# KiCad board 4in1-panel.kicad_pcb
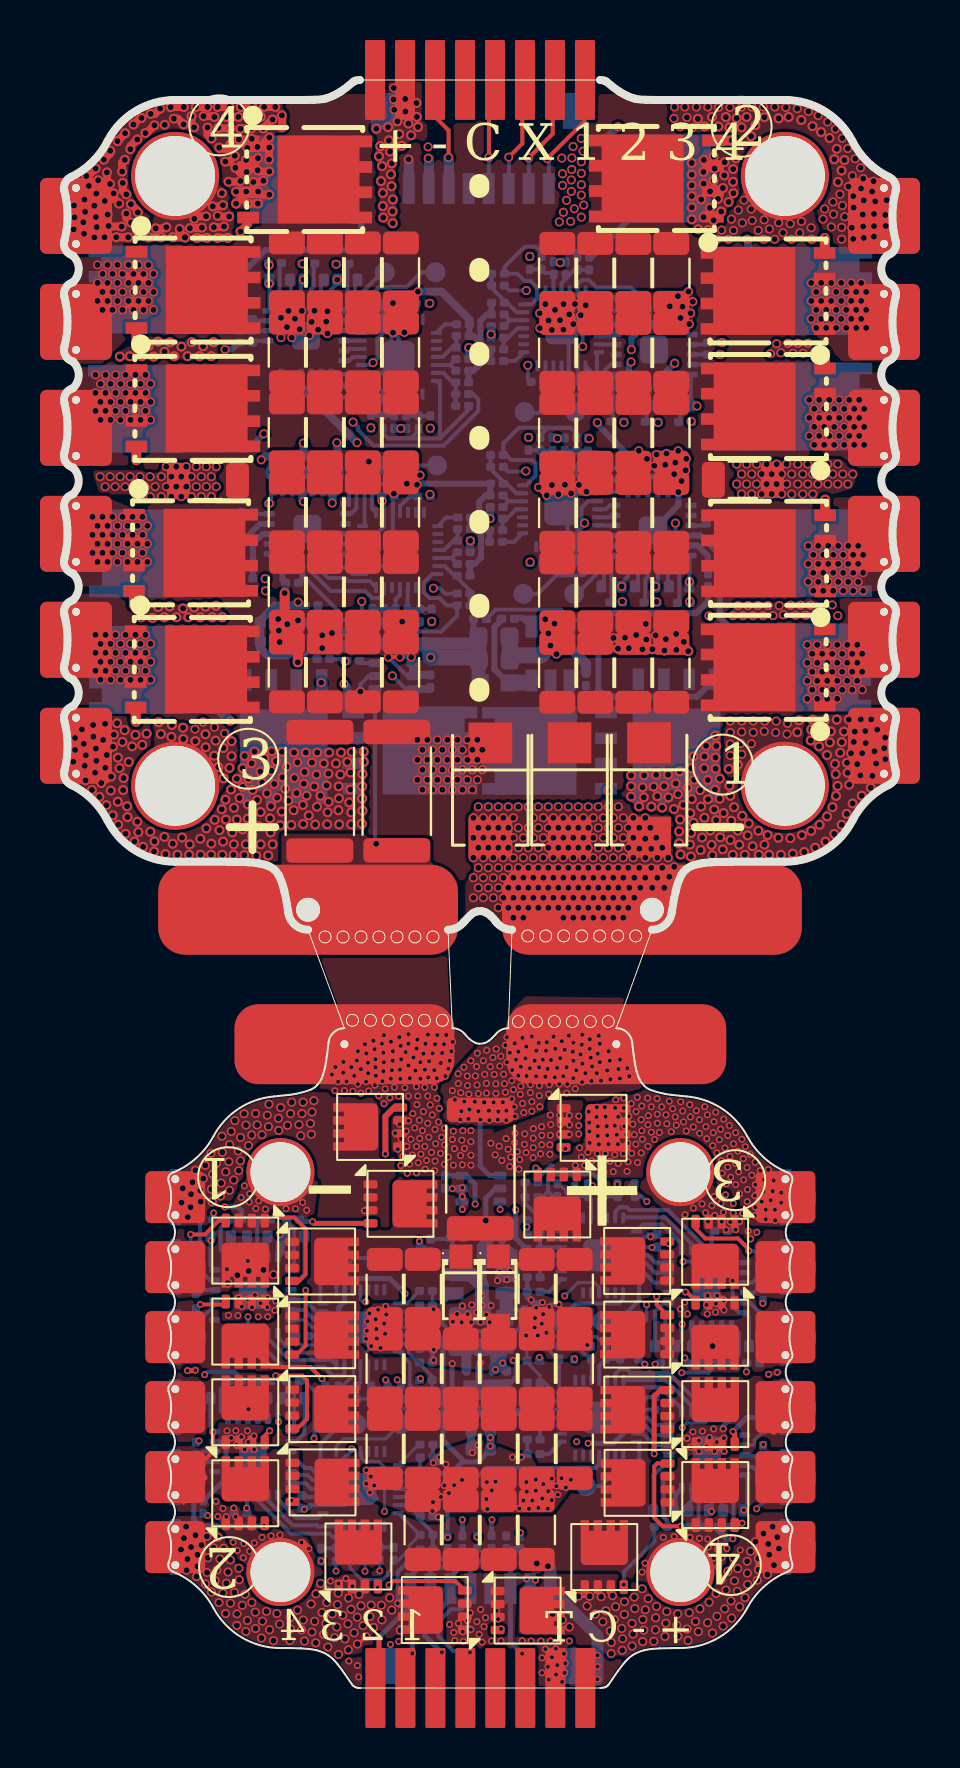
[diagram p0: board, top side]
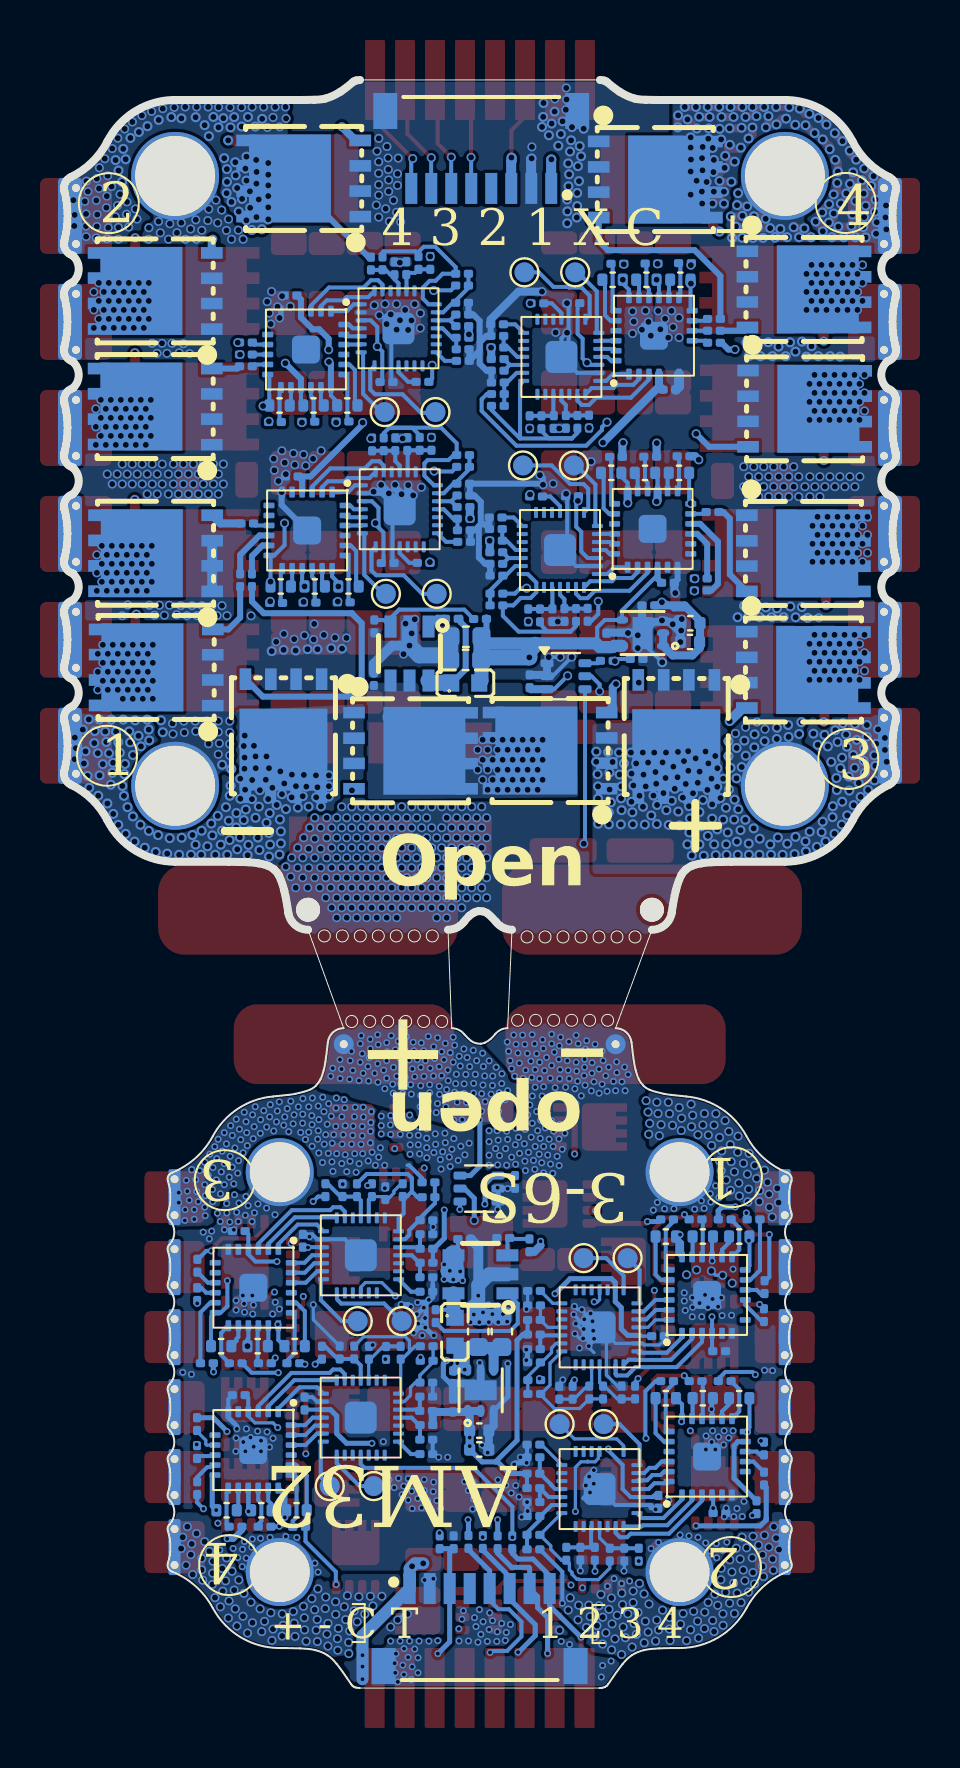
[diagram p1: board, bottom side, seen from below]

Outline 41.58 x 80.42 mm; copper layers: Top, In1.Cu, In2.Cu, In3.Cu, In4.Cu, Bottom. Coordinates in mm from the lower left corner of the outline.
Outline path: circle c13.04,37.56 r0.3 ; circle c13.94,37.56 r0.3 ; circle c14.41,33.39 r0.3 ; circle c14.84,37.56 r0.3 ; circle c15.31,33.39 r0.3 ; circle c15.74,37.56 r0.3 ; circle c16.21,33.39 r0.3 ; circle c16.64,37.56 r0.3 ; circle c17.11,33.39 r0.3 ; circle c17.54,37.56 r0.3 ; circle c18.01,33.39 r0.3 ; circle c18.44,37.56 r0.3 ; circle c18.91,33.39 r0.3 ; circle c22.71,33.33 r0.3 ; circle c23.18,37.61 r0.3 ; circle c23.61,33.33 r0.3 ; circle c24.08,37.61 r0.3 ; circle c24.51,33.33 r0.3 ; circle c24.98,37.61 r0.3 ; circle c25.41,33.33 r0.3 ; circle c25.88,37.61 r0.3 ; circle c26.31,33.33 r0.3 ; circle c26.78,37.61 r0.3 ; circle c27.21,33.33 r0.3 ; circle c27.68,37.61 r0.3 ; circle c28.58,37.61 r0.3 ; 14.01,33 12.19,37.92 ; 14.79,80.42 26.79,80.42 ; 14.81,0 26.81,0 ; 19.41,33 19.19,37.92 ; 22.39,37.92 22.21,33 ; 27.61,33 29.39,37.92
Stack: Top 0.07mm / dielectric 0.1mm FR4 er 4.5 / In1.Cu 0.035mm / dielectric 0.545mm FR4 er 4.5 / In2.Cu 0.035mm / dielectric 0.1mm FR4 er 4.5 / In3.Cu 0.035mm / dielectric 0.545mm FR4 er 4.5 / In4.Cu 0.035mm / dielectric 0.1mm FR4 er 4.5 / Bottom 0.07mm

## Placement (name value [footprint] x y rotation side)
C1  22uF  [C_0402_1005Metric]  20.83 11.93 0 bottom
C2  4.7uF  [C_1206_3216Metric]  7.18 60.37 180 top
C3  4.7uF  [C_1206_3216Metric]  33.94 60.43 0 top
C4  22uF  [C_0402_1005Metric]  10.27 53.25 180 bottom
C6  4.7uF  [C_1206_3216Metric]  24.66 62.77 270 top
C6#2  4.7uF  [C_1206_3216Metric]  16.83 70.8 270 top
C6#3  4.7uF  [C_1206_3216Metric]  16.83 54.82 270 top
C7  4.7uF  [C_1206_3216Metric]  14.93 70.8 270 top
C8  4.7uF  [C_1206_3216Metric]  13.03 70.8 270 top
C9  4.7uF  [C_1206_3216Metric]  11.13 70.8 270 top
C13  4.7uF  [C_1206_3216Metric]  30.36 70.77 270 top
C14  4.7uF  [C_1206_3216Metric]  28.46 70.77 270 top
C15  4.7uF  [C_1206_3216Metric]  26.56 70.77 270 top
C16  4.7uF  [C_1206_3216Metric]  24.66 70.77 270 top
C17  4.7uF  [C_1206_3216Metric]  11.13 66.8 90 top
C18  4.7uF  [C_1206_3216Metric]  13.03 66.8 90 top
C19  4.7uF  [C_1206_3216Metric]  14.93 66.8 90 top
C20  4.7uF  [C_1206_3216Metric]  16.83 66.8 90 top
C24  4.7uF  [C_1206_3216Metric]  24.66 66.77 90 top
C25  4.7uF  [C_1206_3216Metric]  26.56 66.77 90 top
C26  4.7uF  [C_1206_3216Metric]  28.46 66.77 90 top
C27  4.7uF  [C_1206_3216Metric]  30.36 66.77 90 top
C28  4.7uF  [C_1206_3216Metric]  16.83 62.8 270 top
C29  4.7uF  [C_1206_3216Metric]  14.93 62.8 270 top
C30  4.7uF  [C_1206_3216Metric]  13.03 62.8 270 top
C31  4.7uF  [C_1206_3216Metric]  11.13 62.8 270 top
C32  100nF  [C_0402_WIDE]  29.06 55.09 180 bottom
C32#2  100nF  [C_0402_WIDE]  9.65 22.58 0 bottom
C33  100nF  [C_0402_WIDE]  9.65 14.49 0 bottom
C33#2  100nF  [C_0402_WIDE]  29.12 64.14 180 bottom
C34  100nF  [C_0402_WIDE]  12.54 60.78 0 bottom
C34#2  100nF  [C_0402_WIDE]  31.91 17.1 180 bottom
C35  100nF  [C_0402_WIDE]  12.47 70.44 0 bottom
C35#2  100nF  [C_0402_WIDE]  31.73 8.89 180 bottom
C36  100nF  [C_0402_WIDE]  7.82 22.58 0 bottom
C36#2  100nF  [C_0402_WIDE]  30.76 55.09 180 bottom
C37  100nF  [C_0402_WIDE]  30.82 64.14 180 bottom
C37#2  100nF  [C_0402_WIDE]  7.82 14.49 0 bottom
C38  100nF  [C_0402_WIDE]  10.84 60.78 0 bottom
C38#2  100nF  [C_0402_WIDE]  33.74 17.1 180 bottom
C39  100nF  [C_0402_WIDE]  33.47 8.89 180 bottom
C39#2  100nF  [C_0402_WIDE]  10.77 70.44 0 bottom
C42  22uF  [C_0402_1005Metric]  20.83 12.88 0 bottom
C43  4.7uF  [C_1206_3216Metric]  30.36 62.77 270 top
C43#2  22uF  [C_0603_1608Metric]  19.7 17.83 90 bottom
C44  4.7uF  [C_1206_3216Metric]  28.46 62.77 270 top
C44#2  100nF  [C_0201_0603Metric]  18.12 9.3 0 bottom
C45  4.7uF  [C_1206_3216Metric]  26.56 62.77 270 top
C45#2  100nF  [C_0201_0603Metric]  11.87 9.31 270 bottom
C46  100nF  [C_0201_0603Metric]  18.12 11.54 0 bottom
C47  22uF  [C_0603_1608Metric]  21.49 52.58 0 bottom
C48  100nF  [C_0201_0603Metric]  18.1 16.95 0 bottom
C48#2  100nF  [C_0201_0603Metric]  21.62 59.65 180 bottom
C49  100nF  [C_0201_0603Metric]  11.89 17.6 180 bottom
C49#2  100nF  [C_0201_0603Metric]  25.41 56.27 180 bottom
C50  100nF  [C_0201_0603Metric]  18.09 19.14 0 bottom
C50#2  100nF  [C_0201_0603Metric]  21.6 57.91 180 bottom
C51  22uF  [C_0402_1005Metric]  10.29 52.31 180 bottom
C52  100nF  [C_0201_0603Metric]  21.66 66.95 180 bottom
C53  100nF  [C_0402_WIDE]  11.5 22.58 0 bottom
C53#2  100nF  [C_0402_WIDE]  27.37 55.09 180 bottom
C54  100nF  [C_0201_0603Metric]  21.68 68.69 180 bottom
C55  100nF  [C_0201_0603Metric]  25.47 65.31 180 bottom
C56  100nF  [C_0402_WIDE]  27.43 64.14 180 bottom
C57  100nF  [C_0201_0603Metric]  8.81 8.75 180 bottom
C57#2  100nF  [C_0201_0603Metric]  30.21 60.59 0 bottom
C58  100nF  [C_0201_0603Metric]  30.27 69.64 0 bottom
C59  100nF  [C_0402_WIDE]  11.5 14.49 0 bottom
C59#2  100nF  [C_0201_0603Metric]  20 57.97 0 bottom
C60  100nF  [C_0201_0603Metric]  19.98 56.23 0 bottom
C61  100nF  [C_0201_0603Metric]  16.19 59.61 0 bottom
C62  100nF  [C_0402_WIDE]  14.23 60.78 0 bottom
C63  100nF  [C_0201_0603Metric]  32.86 22.85 0 bottom
C63#2  100nF  [C_0201_0603Metric]  11.39 55.28 180 bottom
C64  100nF  [C_0201_0603Metric]  23.47 22.69 180 bottom
C64#2  100nF  [C_0201_0603Metric]  19.93 67.62 0 bottom
C65  100nF  [C_0201_0603Metric]  29.65 22.37 90 bottom
C65#2  100nF  [C_0201_0603Metric]  19.91 65.88 0 bottom
C66  100nF  [C_0201_0603Metric]  23.47 20.54 180 bottom
C66#2  100nF  [C_0201_0603Metric]  16.12 69.26 0 bottom
C67  100nF  [C_0402_WIDE]  14.16 70.44 0 bottom
C68  100nF  [C_0201_0603Metric]  11.32 64.94 180 bottom
C69  4.7uF  [C_1206_3216Metric]  11.13 58.8 90 top
C69#2  100nF  [C_0201_0603Metric]  21.58 22.45 180 bottom
C70  4.7uF  [C_1206_3216Metric]  13.03 58.8 90 top
C70#2  100nF  [C_0201_0603Metric]  22.14 15.55 270 bottom
C71  4.7uF  [C_1206_3216Metric]  14.93 58.8 90 top
C71#2  100nF  [C_0201_0603Metric]  22.15 14.13 90 bottom
C72  4.7uF  [C_1206_3216Metric]  16.83 58.8 90 top
C72#2  100nF  [C_0201_0603Metric]  23.01 18.6 270 bottom
C73  100nF  [C_0402_WIDE]  30.06 17.1 180 bottom
C74  100nF  [C_0201_0603Metric]  26.1 50.46 90 bottom
C75  100nF  [C_0201_0603Metric]  22.2 53.48 0 bottom
C76  100nF  [C_0201_0603Metric]  14.47 52.43 90 bottom
C77  100nF  [C_0201_0603Metric]  8.83 16.85 180 bottom
C78  100nF  [C_0201_0603Metric]  23.48 14.57 180 bottom
C79  4.7uF  [C_1206_3216Metric]  24.66 58.77 90 top
C79#2  100nF  [C_0201_0603Metric]  29.57 14.23 90 bottom
C80  4.7uF  [C_1206_3216Metric]  26.56 58.77 90 top
C80#2  100nF  [C_0201_0603Metric]  23.48 12.42 180 bottom
C81  100nF  [C_0201_0603Metric]  12.37 54.14 0 bottom
C82  4.7uF  [C_1206_3216Metric]  28.46 58.77 90 top
C83  4.7uF  [C_1206_3216Metric]  30.36 58.77 90 top
C83#2  100nF  [C_0402_WIDE]  29.97 8.89 180 bottom
C84  4.7uF  [C_1206_3216Metric]  30.36 54.8 270 top
C85  4.7uF  [C_1206_3216Metric]  28.46 54.8 270 top
C86  22uF  [C_0603_1608Metric]  21.51 51.42 0 bottom
C86#2  22uF  [C_0603_1608Metric]  20.88 17.83 90 bottom
C87  4.7uF  [C_1206_3216Metric]  26.56 54.8 270 top
C88  4.7uF  [C_1206_3216Metric]  24.66 54.8 270 top
C88#2  100nF  [C_0201_0603Metric]  32.86 14.65 0 bottom
C93  100nF  [C_0201_0603Metric]  18.31 50.35 90 bottom
C93#2  100nF  [C_0201_0603Metric]  19.04 25.31 270 bottom
C94  100nF  [C_0201_0603Metric]  22.11 7.29 90 bottom
C94#2  100nF  [C_0201_0603Metric]  12.96 51.46 180 bottom
C95  4.7uF  [C_1206_3216Metric]  14.93 54.82 270 top
C96  4.7uF  [C_1206_3216Metric]  13.03 54.82 270 top
C97  4.7uF  [C_1206_3216Metric]  11.13 54.82 270 top
C98  4.7uF  [C_1206_3216Metric]  11.13 50.8 90 top
C99  4.7uF  [C_1206_3216Metric]  13.03 50.8 90 top
C100  4.7uF  [C_1206_3216Metric]  14.93 50.8 90 top
C101  4.7uF  [C_1206_3216Metric]  16.83 50.8 90 top
C105  4.7uF  [C_1206_3216Metric]  24.66 50.77 90 top
C106  4.7uF  [C_1206_3216Metric]  26.56 50.77 90 top
C107  4.7uF  [C_1206_3216Metric]  28.46 50.77 90 top
C108  4.7uF  [C_1206_3216Metric]  30.36 50.77 90 top
CL32  4.7uF  [C_1206_3216Metric]  19.83 11.96 270 top
CL33  4.7uF  [C_1206_3216Metric]  17.93 7.91 90 top
CL34  4.7uF  [C_1206_3216Metric]  19.83 7.91 90 top
CL35  4.7uF  [C_1206_3216Metric]  21.73 7.91 90 top
CL36  4.7uF  [C_1206_3216Metric]  23.63 7.91 90 top
CL38  4.7uF  [C_1206_3216Metric]  25.53 11.96 270 top
CL39  4.7uF  [C_1206_3216Metric]  23.63 11.96 270 top
CL40  4.7uF  [C_1206_3216Metric]  21.73 11.96 270 top
CL42  4.7uF  [C_1206_3216Metric]  17.93 11.96 270 top
CL43  4.7uF  [C_1206_3216Metric]  16.03 11.96 270 top
CL44  4.7uF  [C_1206_3216Metric]  16.03 15.97 90 top
CL45  4.7uF  [C_1206_3216Metric]  17.93 15.97 90 top
CL46  4.7uF  [C_1206_3216Metric]  19.83 15.97 90 top
CL47  4.7uF  [C_1206_3216Metric]  21.73 15.97 90 top
CL48  4.7uF  [C_1206_3216Metric]  23.63 15.97 90 top
CL49  4.7uF  [C_1206_3216Metric]  25.53 15.97 90 top
CL50  4.7uF  [C_1206_3216Metric]  25.53 19.96 270 top
CL51  4.7uF  [C_1206_3216Metric]  23.63 19.96 270 top
CL54  4.7uF  [C_1206_3216Metric]  17.93 19.96 270 top
CL55  4.7uF  [C_1206_3216Metric]  16.03 19.96 270 top
D1  SMF24A-T13  [SOD-123FL_L2.7-W1.8-LS3.7-RD]  21.71 19.86 270 top
D1#2  SMBJ24A  [SMB_L4.5-W3.7-LS5.4-RD]  29.25 44.91 270 top
D2  SMF24A-T13  [SOD-123FL_L2.7-W1.8-LS3.7-RD]  19.84 19.85 270 top
D2#2  SMBJ24A  [SMB_L4.5-W3.7-LS5.4-RD]  25.27 44.91 270 top
D3  SMBJ24A  [SMB_L4.5-W3.7-LS5.4-RD]  21.31 44.9 270 top
J1  SM08B-SRSS-TB  [JST_SM08B-SRSS-TB]  20.81 0.2 180 bottom
J1#2  SM08B-SRSS-TB  [JST_SM08B-SRSS-TB]  20.73 79.77 0 bottom
Q1  DOY180N03T  [Diodes_PowerDI3333-8]  16.81 24.21 0 top
Q1#2  C22385416  [PDFN-8L_L6.0-W5.0-P1.27]  24.26 46.87 270 bottom
Q2  DOY180N03T  [Diodes_PowerDI3333-8]  15.29 28.06 180 top
Q2#2  C22385416  [PDFN-8L_L6.0-W5.0-P1.27]  30.62 47.62 0 bottom
Q3  DOY180N03T  [Diodes_PowerDI3333-8]  12.89 21.33 0 top
Q3#2  C22385416  [PDFN-8L_L6.0-W5.0-P1.27]  37.04 64.09 90 bottom
Q4  DOY180N03T  [Diodes_PowerDI3333-8]  9.05 21.88 270 top
Q4#2  C22385416  [PDFN-8L_L6.0-W5.0-P1.27]  4.61 56.74 270 bottom
Q5  DOY180N03T  [Diodes_PowerDI3333-8]  12.89 17.65 0 top
Q5#2  C22385416  [PDFN-8L_L6.0-W5.0-P1.27]  12.02 75.44 270 bottom
Q6  DOY180N03T  [Diodes_PowerDI3333-8]  9.05 17.83 270 top
Q6#2  C22385416  [PDFN-8L_L6.0-W5.0-P1.27]  35.21 51.05 90 top
Q7  C22385416  [PDFN-8L_L6.0-W5.0-P1.27]  35.22 64.09 90 top
Q7#2  DOY180N03T  [Diodes_PowerDI3333-8]  14.71 6.58 90 top
Q8  DOY180N03T  [Diodes_PowerDI3333-8]  18.53 3.9 180 top
Q8#2  C22385416  [PDFN-8L_L6.0-W5.0-P1.27]  35.2 69.88 90 top
Q9  C22385416  [PDFN-8L_L6.0-W5.0-P1.27]  6.4 50.94 270 top
Q9#2  DOY180N03T  [Diodes_PowerDI3333-8]  12.9 13.95 0 top
Q10  DOY180N03T  [Diodes_PowerDI3333-8]  9.05 13.79 90 top
Q10#2  C22385416  [PDFN-8L_L6.0-W5.0-P1.27]  6.44 69.92 270 top
Q11  DOY180N03T  [Diodes_PowerDI3333-8]  12.91 10.28 0 top
Q11#2  C22385416  [PDFN-8L_L6.0-W5.0-P1.27]  36.99 51.04 90 bottom
Q12  DOY180N03T  [Diodes_PowerDI3333-8]  9.05 9.74 90 top
Q12#2  C22385416  [PDFN-8L_L6.0-W5.0-P1.27]  37.04 69.88 90 bottom
Q13  C22385416  [PDFN-8L_L6.0-W5.0-P1.27]  6.31 56.77 270 top
Q13#2  DOY180N03T  [Diodes_PowerDI3333-8]  24.66 24.18 270 top
Q14  DOY180N03T  [Diodes_PowerDI3333-8]  26.47 28.02 0 top
Q14#2  C22385416  [PDFN-8L_L6.0-W5.0-P1.27]  4.61 50.91 270 bottom
Q15  DOY180N03T  [Diodes_PowerDI3333-8]  28.65 17.67 180 top
Q15#2  C22385416  [PDFN-8L_L6.0-W5.0-P1.27]  4.58 69.95 270 bottom
Q16  DOY180N03T  [Diodes_PowerDI3333-8]  32.55 17.77 270 top
Q16#2  C22385416  [PDFN-8L_L6.0-W5.0-P1.27]  35.23 56.75 90 top
Q17  C22385416  [PDFN-8L_L6.0-W5.0-P1.27]  29.61 75.5 90 top
Q17#2  DOY180N03T  [Diodes_PowerDI3333-8]  28.65 21.36 180 top
Q18  DOY180N03T  [Diodes_PowerDI3333-8]  32.55 21.82 270 top
Q18#2  C22385416  [PDFN-8L_L6.0-W5.0-P1.27]  17.28 46.89 90 bottom
Q19  DOY180N03T  [Diodes_PowerDI3333-8]  27.01 6.55 90 top
Q19#2  C22385416  [PDFN-8L_L6.0-W5.0-P1.27]  12.02 75.44 270 top
Q20  C22385416  [PDFN-8L_L6.0-W5.0-P1.27]  6.43 64 270 top
Q20#2  DOY180N03T  [Diodes_PowerDI3333-8]  23.17 3.88 0 top
Q21  DOY180N03T  [Diodes_PowerDI3333-8]  28.67 10.26 180 top
Q21#2  C22385416  [PDFN-8L_L6.0-W5.0-P1.27]  37.02 56.75 90 bottom
Q22  DOY180N03T  [Diodes_PowerDI3333-8]  32.56 9.65 90 top
Q22#2  C22385416  [PDFN-8L_L6.0-W5.0-P1.27]  29.61 75.5 90 bottom
Q23  DOY180N03T  [Diodes_PowerDI3333-8]  28.66 13.92 180 top
Q23#2  C22385416  [PDFN-8L_L6.0-W5.0-P1.27]  10.97 47.59 0 bottom
Q24  DOY180N03T  [Diodes_PowerDI3333-8]  32.56 13.7 90 top
Q24#2  C22385416  [PDFN-8L_L6.0-W5.0-P1.27]  4.55 63.98 270 bottom
R1  15R  [R_0201_0603Metric]  11.43 15.35 0 bottom
R2  15R  [R_0201_0603Metric]  6.96 9.04 270 bottom
R3  10k  [R_0201_0603Metric]  18.12 10.72 0 bottom
R4  10k  [R_0201_0603Metric]  18.12 12.17 0 bottom
R5  220R  [R_0201_0603Metric]  20.65 7.3 90 bottom
R6  15R  [R_0201_0603Metric]  10.01 15.35 0 bottom
R7  15R  [R_0201_0603Metric]  6.58 11.98 90 bottom
R8  15R  [R_0201_0603Metric]  8.55 15.35 0 bottom
R9  15R  [R_0201_0603Metric]  6.58 10.47 270 bottom
R10  10k  [C_0201_0603Metric]  21.69 70.73 0 bottom
R10#2  10k  [R_0201_0603Metric]  18.12 7.66 180 bottom
R11  1k  [C_0201_0603Metric]  21.69 69.28 0 bottom
R11#2  1k  [R_0201_0603Metric]  18.12 8.6 180 bottom
R12  10k  [R_0201_0603Metric]  18.12 6.93 0 bottom
R12#2  10k  [C_0201_0603Metric]  21.69 70.14 180 bottom
R13  10k  [C_0201_0603Metric]  23.87 71.27 270 bottom
R13#2  10k  [R_0201_0603Metric]  16.47 6.71 90 bottom
R14  1k  [C_0201_0603Metric]  24.48 71.01 270 bottom
R14#2  1k  [R_0201_0603Metric]  15.77 6.71 90 bottom
R15  10k  [C_0201_0603Metric]  23.28 71.27 270 bottom
R15#2  10k  [R_0201_0603Metric]  15.05 6.71 90 bottom
R16  15R  [R_0201_0603Metric]  11.43 23.44 0 bottom
R17  15R  [R_0201_0603Metric]  7.11 23.44 0 bottom
R18  10k  [R_0201_0603Metric]  18.09 18.41 0 bottom
R18#2  10k  [R_0201_0603Metric]  21.61 58.49 180 bottom
R19  10k  [R_0201_0603Metric]  18.09 19.86 0 bottom
R19#2  10k  [R_0201_0603Metric]  21.59 57.33 180 bottom
R20  220R  [R_0201_0603Metric]  23.61 56.28 0 bottom
R20#2  220R  [R_0201_0603Metric]  21.37 7.31 90 bottom
R21  10k  [R_0201_0603Metric]  21.67 67.53 180 bottom
R21#2  15R  [R_0201_0603Metric]  10.01 23.44 0 bottom
R22  15R  [R_0201_0603Metric]  6.56 20.05 90 bottom
R22#2  10k  [R_0201_0603Metric]  21.65 66.38 180 bottom
R23  15R  [R_0201_0603Metric]  8.55 23.44 0 bottom
R23#2  15R  [R_0201_0603Metric]  30.99 54.26 0 bottom
R24  15R  [R_0201_0603Metric]  6.59 18.65 90 bottom
R24#2  15R  [R_0201_0603Metric]  31.05 63.31 0 bottom
R25  10k  [R_0201_0603Metric]  18.08 14.71 180 bottom
R25#2  10k  [C_0201_0603Metric]  21.64 61.66 0 bottom
R26  1k  [R_0201_0603Metric]  18.09 16.29 180 bottom
R26#2  1k  [C_0201_0603Metric]  21.63 60.24 0 bottom
R27  10k  [R_0201_0603Metric]  18.08 15.4 0 bottom
R27#2  10k  [C_0201_0603Metric]  21.64 61.07 180 bottom
R28  10k  [C_0201_0603Metric]  23.81 62.23 270 bottom
R28#2  10k  [R_0201_0603Metric]  15.33 14.78 90 bottom
R29  1k  [C_0201_0603Metric]  24.43 62.22 270 bottom
R29#2  1k  [R_0201_0603Metric]  16.83 14.77 270 bottom
R30  10k  [R_0201_0603Metric]  16.16 14.77 270 bottom
R30#2  10k  [C_0201_0603Metric]  23.22 62.23 270 bottom
R31  10k  [C_0201_0603Metric]  25.61 62.21 270 bottom
R31#2  10k  [R_0201_0603Metric]  14.63 14.78 90 bottom
R32  1k  [R_0201_0603Metric]  13.71 14.78 270 bottom
R32#2  1k  [C_0201_0603Metric]  25.03 62.21 270 bottom
R33  10k  [C_0201_0603Metric]  26.19 62.2 270 bottom
R33#2  10k  [R_0201_0603Metric]  13.03 14.78 270 bottom
R34  10k  [R_0201_0603Metric]  14.3 6.67 90 bottom
R34#2  10k  [C_0201_0603Metric]  25.67 71.25 270 bottom
R35  1k  [R_0201_0603Metric]  13.57 6.67 90 bottom
R35#2  1k  [C_0201_0603Metric]  25.07 71 270 bottom
R36  10k  [C_0201_0603Metric]  26.25 71.25 270 bottom
R36#2  10k  [R_0201_0603Metric]  12.85 6.67 90 bottom
R37  15R  [R_0201_0603Metric]  30.13 16.24 180 bottom
R37#2  15R  [R_0201_0603Metric]  10.61 61.61 180 bottom
R38  15R  [R_0201_0603Metric]  10.54 71.26 180 bottom
R38#2  15R  [R_0201_0603Metric]  34.45 16.24 180 bottom
R39  220R  [R_0201_0603Metric]  23.67 65.32 0 bottom
R39#2  10k  [R_0201_0603Metric]  23.47 21.27 180 bottom
R40  10k  [R_0201_0603Metric]  19.99 57.39 0 bottom
R40#2  10k  [R_0201_0603Metric]  23.47 19.82 180 bottom
R41  10k  [R_0201_0603Metric]  20.01 58.55 0 bottom
R41#2  220R  [R_0201_0603Metric]  19.91 7.29 90 bottom
R42  15R  [R_0201_0603Metric]  32.44 58.24 0 bottom
R42#2  15R  [R_0201_0603Metric]  31.55 16.24 180 bottom
R43  15R  [R_0201_0603Metric]  32.5 67.29 0 bottom
R43#2  15R  [R_0201_0603Metric]  34.94 19.7 270 bottom
R44  15R  [R_0201_0603Metric]  33.01 16.24 180 bottom
R44#2  15R  [R_0201_0603Metric]  9.75 55.49 0 bottom
R45  15R  [R_0201_0603Metric]  9.09 67.29 180 bottom
R45#2  15R  [R_0201_0603Metric]  34.93 21.12 90 bottom
R46  10k  [C_0201_0603Metric]  19.97 54.14 180 bottom
R46#2  10k  [R_0201_0603Metric]  23.37 24.55 0 bottom
R47  1k  [C_0201_0603Metric]  19.97 55.64 180 bottom
R47#2  1k  [R_0201_0603Metric]  23.47 23.39 0 bottom
R48  10k  [C_0201_0603Metric]  19.97 54.73 0 bottom
R48#2  10k  [R_0201_0603Metric]  23.37 25.29 180 bottom
R49  10k  [C_0201_0603Metric]  17.79 53.65 90 bottom
R49#2  10k  [R_0201_0603Metric]  24.66 24.9 90 bottom
R50  1k  [C_0201_0603Metric]  17.17 53.66 90 bottom
R50#2  1k  [R_0201_0603Metric]  25.53 24.75 270 bottom
R51  10k  [R_0201_0603Metric]  26.2 24.9 270 bottom
R51#2  10k  [C_0201_0603Metric]  18.38 53.65 90 bottom
R52  10k  [R_0201_0603Metric]  26.95 24.9 270 bottom
R52#2  10k  [C_0201_0603Metric]  15.99 53.67 90 bottom
R53  1k  [R_0201_0603Metric]  27.67 24.9 270 bottom
R53#2  1k  [C_0201_0603Metric]  16.57 53.67 90 bottom
R54  10k  [R_0201_0603Metric]  28.52 24.9 90 bottom
R54#2  10k  [C_0201_0603Metric]  15.41 53.68 90 bottom
R55  15R  [R_0201_0603Metric]  29.32 54.28 0 bottom
R55#2  15R  [R_0201_0603Metric]  29.84 8.06 180 bottom
R56  15R  [R_0201_0603Metric]  34.94 10 270 bottom
R56#2  15R  [R_0201_0603Metric]  29.38 63.33 0 bottom
R57  10k  [R_0201_0603Metric]  23.47 13.15 180 bottom
R57#2  220R  [R_0201_0603Metric]  17.99 59.6 180 bottom
R58  10k  [R_0201_0603Metric]  23.48 11.7 180 bottom
R58#2  10k  [R_0201_0603Metric]  19.92 67.04 0 bottom
R59  10k  [R_0201_0603Metric]  19.94 68.2 0 bottom
R59#2  220R  [R_0201_0603Metric]  19.18 7.29 90 bottom
R60  15R  [R_0201_0603Metric]  31.56 8.07 180 bottom
R60#2  15R  [R_0201_0603Metric]  12.28 61.59 180 bottom
R61  15R  [R_0201_0603Metric]  34.95 11.8 90 bottom
R61#2  15R  [R_0201_0603Metric]  12.21 71.25 180 bottom
R62  15R  [R_0201_0603Metric]  33.02 8.07 180 bottom
R62#2  15R  [R_0201_0603Metric]  32.79 55.4 270 bottom
R63  15R  [R_0201_0603Metric]  32.5 66.69 0 bottom
R63#2  15R  [R_0201_0603Metric]  34.95 13.2 90 bottom
R64  10k  [C_0201_0603Metric]  19.9 64.12 0 bottom
R64#2  10k  [R_0201_0603Metric]  23.46 17.09 0 bottom
R65  1k  [C_0201_0603Metric]  19.9 65.29 180 bottom
R65#2  1k  [R_0201_0603Metric]  23.48 15.27 0 bottom
R66  10k  [R_0201_0603Metric]  23.46 16.37 180 bottom
R66#2  10k  [C_0201_0603Metric]  19.9 64.71 180 bottom
R67  10k  [C_0201_0603Metric]  17.72 63.3 90 bottom
R67#2  10k  [R_0201_0603Metric]  24.76 16.77 90 bottom
R68  1k  [R_0201_0603Metric]  26.35 16.77 270 bottom
R68#2  1k  [C_0201_0603Metric]  17.1 63.31 90 bottom
R69  10k  [C_0201_0603Metric]  18.31 63.3 90 bottom
R69#2  10k  [R_0201_0603Metric]  25.49 16.76 90 bottom
R70  10k  [C_0201_0603Metric]  15.92 63.32 90 bottom
R70#2  10k  [R_0201_0603Metric]  27.08 16.78 270 bottom
R71  1k  [C_0201_0603Metric]  16.5 63.32 90 bottom
R71#2  1k  [R_0201_0603Metric]  27.81 16.78 270 bottom
R72  10k  [R_0201_0603Metric]  28.7 16.77 90 bottom
R72#2  10k  [C_0201_0603Metric]  15.34 63.33 90 bottom
R73  1k  [R_0201_0603Metric]  22.81 7.29 90 bottom
R73#2  1k  [C_0201_0603Metric]  14.45 51.37 0 bottom
R74  10R  [R_0201_0603Metric]  18.1 17.68 0 bottom
R74#2  15R  [R_0201_0603Metric]  9.75 54.89 0 bottom
R75  15R  [R_0201_0603Metric]  9.09 67.88 180 bottom
R75#2  10R  [R_0201_0603Metric]  18.12 10 0 bottom
R76  15R  [R_0201_0603Metric]  27.61 54.29 0 bottom
R76#2  10R  [R_0201_0603Metric]  23.47 21.97 180 bottom
R77  15R  [R_0201_0603Metric]  27.67 63.34 0 bottom
R77#2  10R  [R_0201_0603Metric]  23.49 13.86 180 bottom
R78  15R  [R_0201_0603Metric]  13.99 61.58 180 bottom
R79  15R  [R_0201_0603Metric]  13.92 71.23 180 bottom
R80  15R  [R_0201_0603Metric]  32.2 55.4 270 bottom
R81  15R  [R_0201_0603Metric]  32.5 66.1 0 bottom
R82  15R  [R_0201_0603Metric]  9.16 58.82 180 bottom
R83  15R  [R_0201_0603Metric]  9.09 68.47 180 bottom
R84  10R  [R_0201_0603Metric]  21.62 59.07 180 bottom
R85  10R  [R_0201_0603Metric]  21.68 68.11 180 bottom
R86  10R  [R_0201_0603Metric]  19.98 56.81 0 bottom
R87  220R  [R_0201_0603Metric]  17.92 69.25 180 bottom
R88  10R  [R_0201_0603Metric]  19.91 66.46 0 bottom
R118  10k  [R_0201_0603Metric]  19.63 22.51 0 bottom
R119  115k  [R_0201_0603Metric]  18.32 22.14 90 bottom
R120  115k  [R_0201_0603Metric]  20.79 53.46 0 bottom
R121  10k  [R_0201_0603Metric]  26.08 53.1 270 bottom
Rsense1  0.2mR  [R_2512_6332Metric]  20.81 25.95 270 top
Rsense1#2  0.2mR  [R_2512_6332Metric]  12.78 44.85 90 top
Rsense2  0.2mR  [R_2512_6332Metric]  16.63 44.85 90 top
TP1  TestPoint  [TestPoint_Pad_D1.0mm]  13.41 21.5 270 bottom
TP1#2  TestPoint  [TestPoint_Pad_D1.0mm]  25.5 54.73 270 bottom
TP2  TestPoint  [TestPoint_Pad_D1.0mm]  14.61 13.2 90 bottom
TP2#2  TestPoint  [TestPoint_Pad_D1.0mm]  25.56 63.81 270 bottom
TP3  TestPoint  [TestPoint_Pad_D1.0mm]  16.81 13.2 90 bottom
TP3#2  TestPoint  [TestPoint_Pad_D1.0mm]  16.1 61.15 90 bottom
TP4  TestPoint  [TestPoint_Pad_D1.0mm]  22.96 54.73 315 bottom
TP4#2  TestPoint  [TestPoint_Pad_D1.0mm]  15.61 21.5 270 bottom
TP5  TestPoint  [TestPoint_Pad_D1.0mm]  26.91 18.35 90 bottom
TP5#2  TestPoint  [TestPoint_Pad_D1.0mm]  23.02 63.81 315 bottom
TP6  TestPoint  [TestPoint_Pad_D1.0mm]  18.64 61.15 135 bottom
TP6#2  TestPoint  [TestPoint_Pad_D1.0mm]  24.71 18.35 90 bottom
TP7  TestPoint  [TestPoint_Pad_D1.0mm]  16.03 70.8 90 bottom
TP7#2  TestPoint  [TestPoint_Pad_D1.0mm]  28.31 10.1 90 bottom
TP8  TestPoint  [TestPoint_Pad_D1.0mm]  18.57 70.8 135 bottom
TP8#2  TestPoint  [TestPoint_Pad_D1.0mm]  26.11 10.1 90 bottom
U1  TLV76733DRVR  [WSON-6_L2.0-W2.0-P0.65-TL-EP]  20.76 14.89 90 bottom
U2  AT32F421G8U7  [QFN-28_L4.0-W4.0-P0.40-TL-EP2.4]  14.81 18.04 180 bottom